# Altium PCB Mother  Board.PcbDoc (part 2 of 4) (continued)
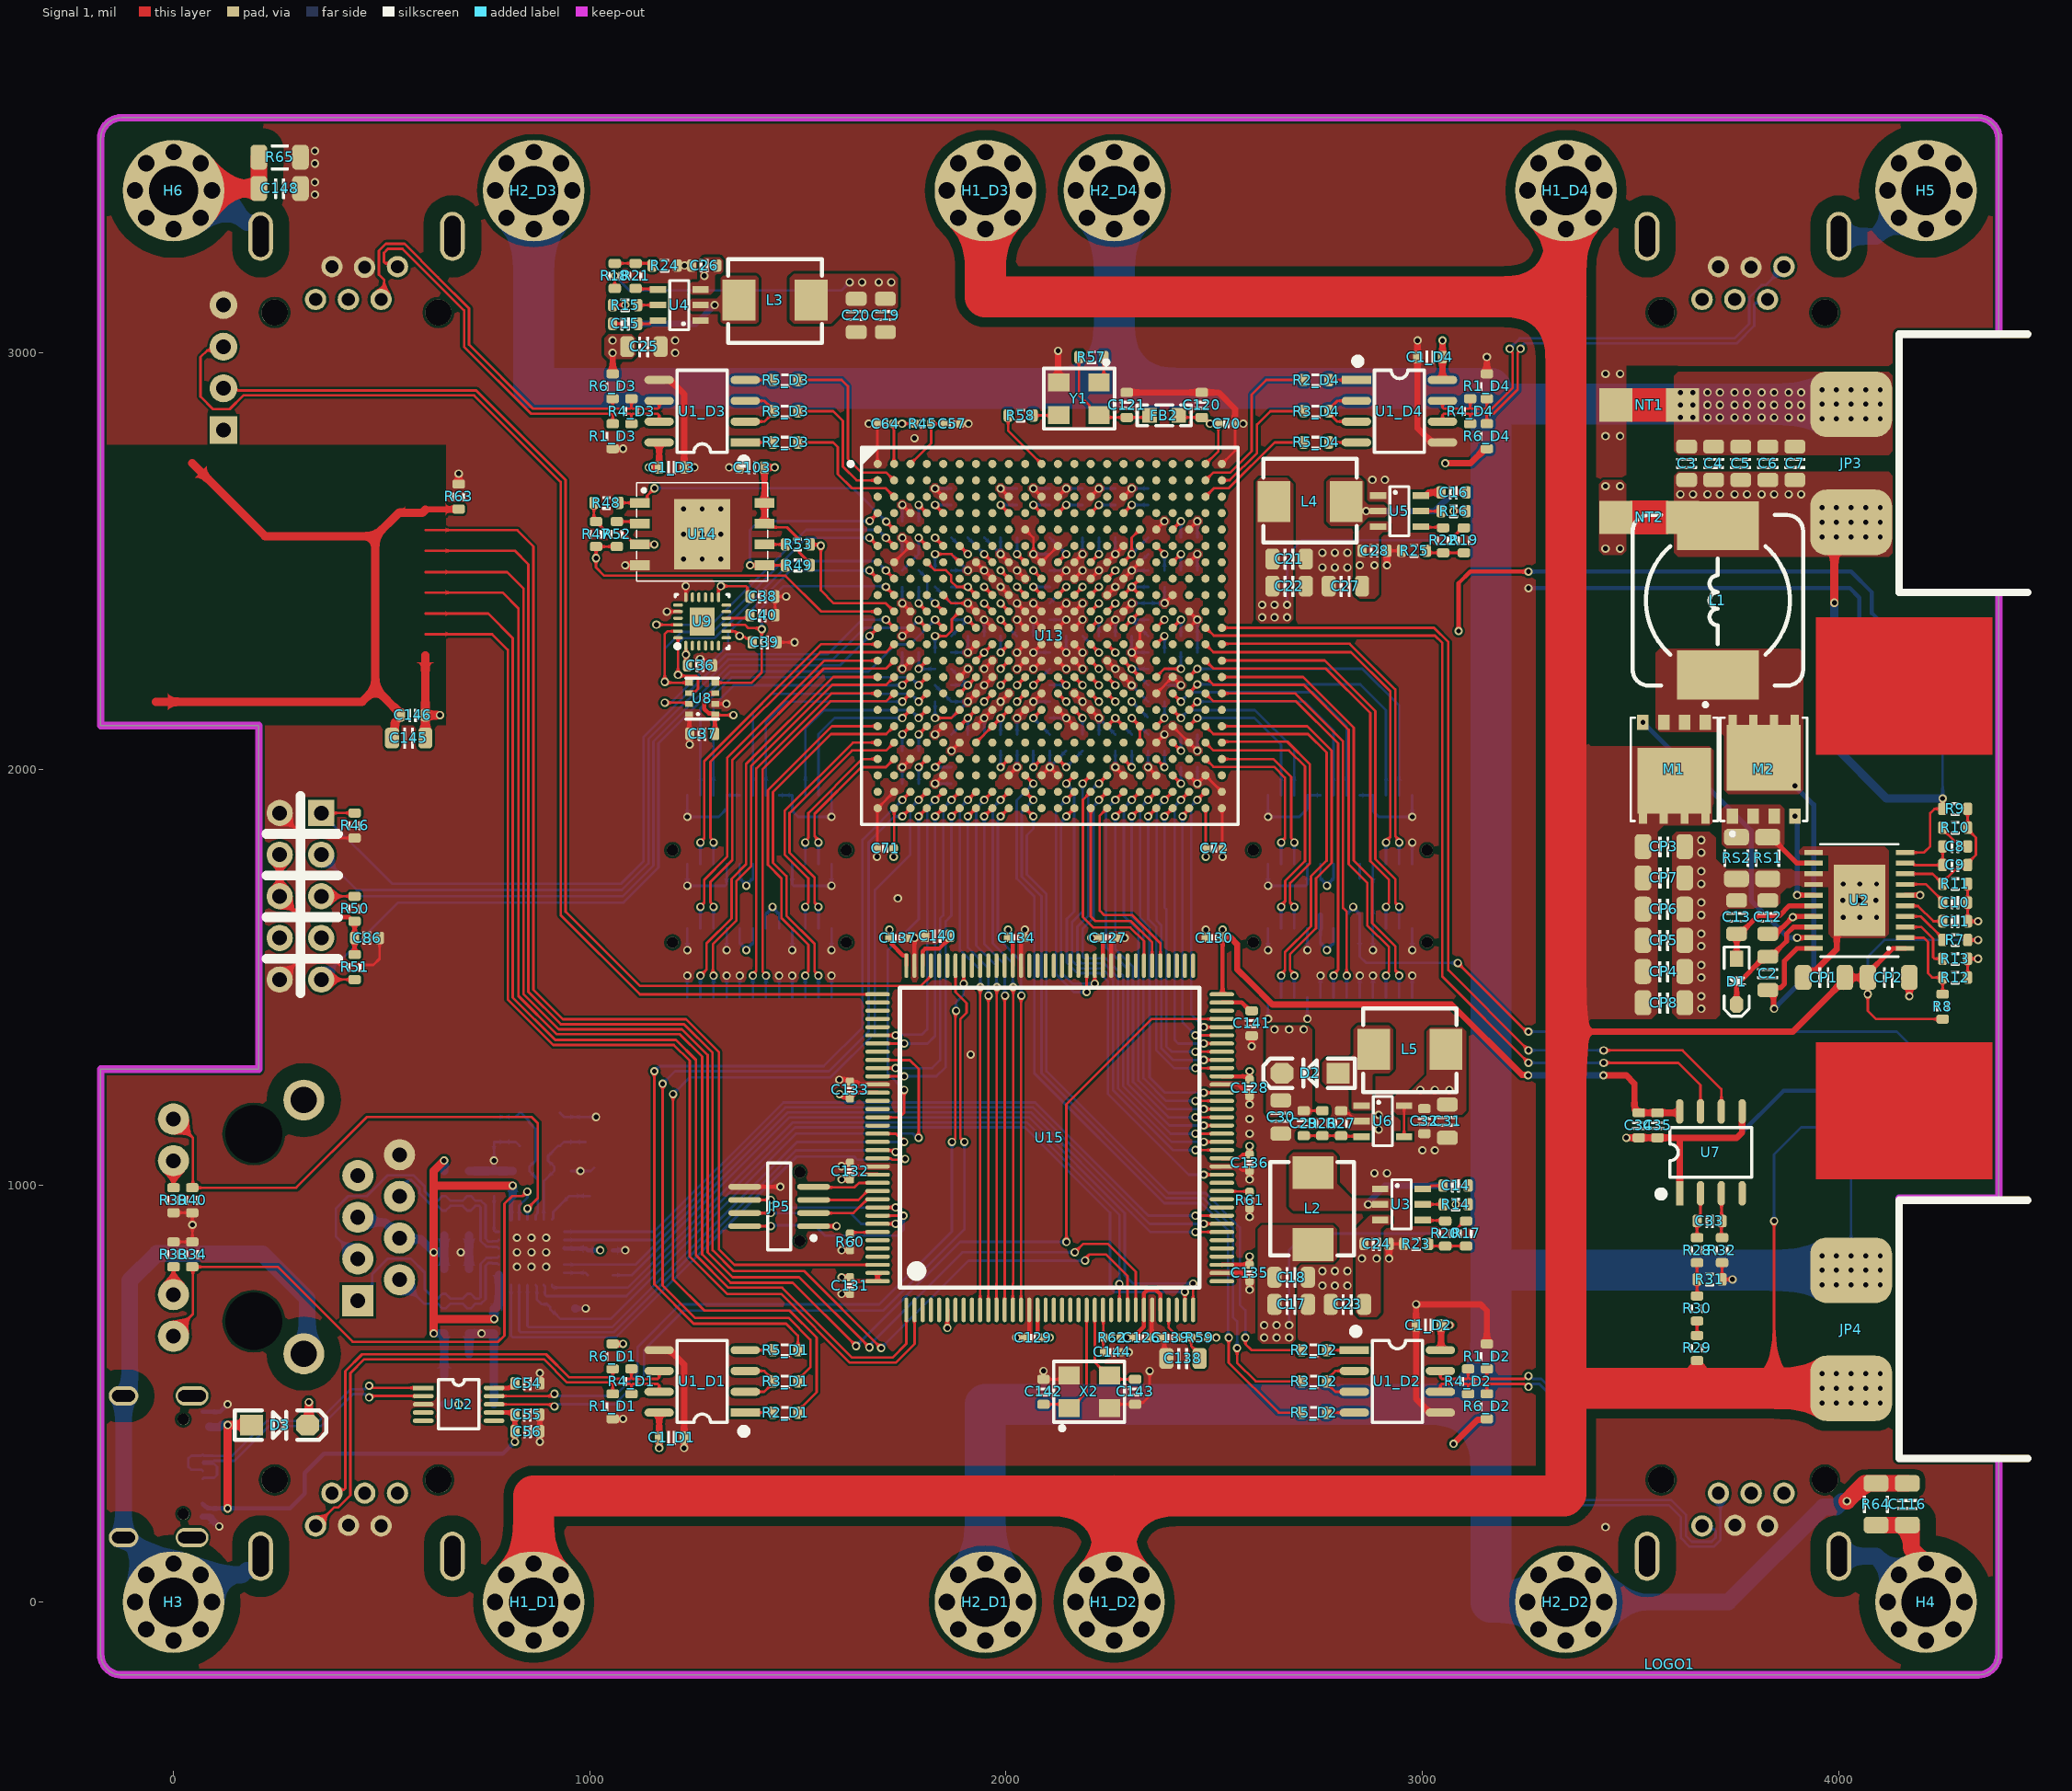
[diagram p0: Signal 1 view]
## Nets (pads, with @x,y where several pads share a name; then routed paths per layer and width w, separated by ;. In a path a pad name is that pad's centre, name@x,y a point inside that pad or via, vN(x,y) a via of type N, cw(c..) or ccw(c..) an arc to the next point about the centre after c; other vN are vias at no path point) (continued)
  Signal 2 w10: U11.9@938.74,849.84 939.65,848.94 991.06,848.94 C149.1@995,845 v2(1025,845) ; v2@3255.81,2475 4030,2475 4080,2425 4080,2375 4135,2320 R69.1@4230,2320
  Signal 2 w12: JP2_D2.9@2755.26,1617.68 JP2_D2.9@2755.26,1650.26
  Signal 2 w15: v1@2770.05,1564.81 v1(2771,1565.77) ; v1(3254.37,1265) v1(3435,1265)
  Signal 2 w20: FB1.1@650,475 v1@685.19,475
  other v1: 685.01,474.82 2620,635 2650,635 2680,635 2620,665 2650,665 1360,2320
3V3E: C45.2 C47.2 C52.1 C53.1 FB1.2 R35.2 R36.2 R37.2 R38.2 U10.4 U10.5 U11.1 U11.19 | length 1429.2
  Signal 1 w20: v1(625,645) 625,675 ; v1(649.81,1060.18) 625,1035.36 625,1000 ; v1(770.18,680.01) 630.01,680.01 625,675 ; v1(814.81,1000.18) 625.18,1000.18 625,1000 ; 625,675 v1(625,840) 625,1000
  Signal 2 w6: v1(625,645) v1@625.18,645.18 ; C53.1@810.79,970.98 C53.1@814.99,975.18
  Signal 2 w10: U11.1@810.79,918.74 C53.1@810.79,970.98
  Signal 2 w20: U10.5@445.82,925.01 459.02,911.81 509.02,911.81 U10.4@545.82,875.01 ; U10.4@542.91,875.83 547.33,871.41 593.95,871.41 625.18,840.18 C45.2@649.99,840.18 ; v1@625.18,645.18 R36.2@649.99,645.18 FB1.2@650,545 ; R35.2@649.99,800.18 C45.2@649.99,840.18 ; R38.2@649.99,880.18 C45.2@649.99,840.18 ; R37.2@649.99,1035.18 v1@649.99,1059.99 ; v1@769.99,680.19 C52.1@769.99,705 772.64,705 781.26,713.62 U11.19@781.26,785 ; C53.1@814.99,975.18 v1@814.99,999.99
5V: C1_D1.2 C1_D2.2 C1_D3.2 C1_D4.2 C23.2 C24.2 C25.2 C26.2 C27.2 C28.2 C31.2 C32.2 D3.K JP1_D1.1 JP1_D2.1 JP1_D3.1 JP1_D4.1 L5.1 NT2.2 R6_D1.1 R6_D2.1 R6_D3.1 R6_D4.1 R14.1 R15.1 R16.1 U1_D1.8 U1_D2.8 U1_D3.8 U1_D4.8 U3.3 U4.3 U5.3 U6.4 U6.5 | length 860.9
  Signal 1 w6: R15.1@1055,3115 v1(1085,3115) ; U6.4@2956.18,1117.6 U6.5@2956.18,1192.4 ; v1(3075,2620) R16.1@3105,2620 ; v1(3080,955) R14.1@3110,955
  Signal 1 w15: R6_D1.1@1055,620 v1(1080,620) ; R6_D3.1@1055,2950 v1(1055,3000) ; v1(1141.65,2725) C1_D3.2@1166.65,2725 U1_D3.8@1166.65,2785 ; v1(1166.65,370) C1_D1.2@1166.65,395 U1_D1.8@1166.65,455 ; U1_D2.8@3043.35,605 3045,606.65 C1_D2.2@3045,665 ; U1_D4.8@3048.35,2935 C1_D4.2@3048.35,2990 v1(3048.35,3030) ; C1_D2.2@3050,665 v1@3070,665 ; v1(3055,2735) 3116,2735 3151,2770 R6_D4.1@3155,2770 ; v1(3075,380) 3132.7,437.7 3152.7,437.7 R6_D2.1@3155,440
  Signal 1 w20: D3.K@322.5,425 325,427.5 v2(325,480)
  other v1: 3065,665 2855,825 2890,825 2995,1230 3030,1230 3065,1230 2850,2490 2885,2490 3440,2530 3475,2530 3440,2680 3475,2680 1055,3030 1275,3185 1275,3215
5V_P: C3.1 C4.1 C5.1 C6.1 C7.1 C12.1 JP3.2 L1.2 NT2.1 R9.2 R68.1 U2.10 U2.17 | length 1455.9
  Signal 1 w6: U2.10@4160,1800.16 4205.16,1800.16 4220,1815 4220,1895 4230,1905 R9.2@4250,1905 v1(4250,1930)
  Signal 1 w12: C12.1@3830,1605 C12.1@3839.35,1605 ; C12.1@3839.35,1595 3864.97,1620.61 3865.51,1620.61 3891.51,1646.61 U2.17@3940,1646.61
  Signal 1 w20: v2(3990,2400) 3990,2557.06 4026.21,2593.27 v1(4030,2593.27)
  Signal 2 w6: R68.1@4230,2165 4230,2161 4250,2141 v1(4250,1930)
  Signal 2 w20: v2(3990,2400) 3990,2055 4115,1930 v1(4250,1930) ; JP3.2@3990,2553.27 v1(3995,2558.27)
  other v1: 3890,1645 3960,2558.27 4030,2558.27 4065,2558.27 4100,2558.27 3960,2593.27 3995,2593.27 4065,2593.27 4100,2593.27 3960,2628.27 3995,2628.27 4030,2628.27 4065,2628.27 4100,2628.27 3619.99,2660.23 3649.99,2660.23 3684.99,2660.23 3714.99,2660.23 3749.99,2660.23 3779.99,2660.23 3814.99,2660.23 3844.99,2660.23 3879.99,2660.23 3909.99,2660.23
12V: C29.2 C30.2 D2.K JP2_D1.13 JP2_D1.15 JP2_D2.13 JP2_D2.15 JP2_D3.13 JP2_D3.15 JP2_D4.13 JP2_D4.15 R26.1 R67.1 | length 2055.9
  Signal 1 w6: C29.2@2715,1180 R26.1@2760,1180 ; v2(3085,1535) 3247.32,1372.68 3252.32,1372.68 v2(3255,1370)
  Signal 2 w6: JP2_D3.15@1360.26,1772.32 1360.26,1738 v1@1376,1722.25 ; v1(1376,1720.41) v1@1376,1722.25 ; JP2_D3.13@1391.75,1772.32 1391.75,1738 v1@1376,1722.25 ; JP2_D1.13@1423.25,1617.68 1423.25,1652 v1@1439,1667.75 ; v1(1439,1669.59) v1@1439,1667.75 ; JP2_D1.15@1454.74,1617.68 1454.74,1652 v1@1439,1667.75 ; JP2_D4.15@2755.26,1772.32 2755.26,1738 v1@2771,1722.25 ; v1(2771,1720.41) v1@2771,1722.25 ; JP2_D4.13@2786.75,1772.32 2786.75,1738 v1@2771,1722.25 ; JP2_D2.13@2818.25,1617.68 2818.25,1652 v1@2834,1667.75 ; v1(2834,1669.59) v1@2834,1667.75 ; v2(3085,1535) 2865,1535 2849.74,1550.26 JP2_D2.15@2849.74,1617.68 2849.74,1652 v1@2834,1667.75 ; v2(3255,1370) 4140,1370 4194.54,1315.46 4222.19,1315.46 4230,1307.65 R67.1@4230,1305
  other v1: 2645,1375 2680,1375 2715,1375
485_D1_N: JP1_D1.6 R1_D1.1 R4_D1.2 U1_D1.7 | length 1252.1
  Signal 1 w6: JP1_D1.6@341.26,182.83 385.41,226.98 394.96,226.98 424.78,256.81 424.78,549.78 458,583 890.03,583 945.51,527.51 1050.03,527.51 1055,522.54 1055,520.49 ; R1_D1.1@1055,500 1055,520.49 ; R4_D1.2@1100,500 1100,520.49 ; U1_D1.7@1166.65,505 1166.65,520.49 1163.14,524 1127.33,524 1103.51,524 1100,520.49 ; 1055,520.49 1058.51,524 1096.49,524 1100,520.49
485_D1_P: JP1_D1.5 R4_D1.1 R6_D1.2 U1_D1.6 | length 1174.2
  Signal 1 w6: JP1_D1.5@380.63,261.57 388.91,269.86 409.26,269.86 412.78,273.37 412.78,554.75 453.03,595 895,595 950.49,539.51 1055,539.51 ; R6_D1.2@1055,560 1055,539.51 ; R4_D1.1@1100,560 1100,539.51 ; U1_D1.6@1166.65,555 1166.65,539.51 1163.14,536 1132.3,536 1103.51,536 1100,539.51 ; 1055,539.51 1058.51,536 1096.49,536 1100,539.51
485_D2_N: JP1_D2.6 R1_D2.1 R4_D2.2 U1_D2.7 | length 1094.3
  Signal 1 w6: U1_D2.7@3043.35,555 3043.35,539.51 3046.86,536 3106.49,536 3110,539.51 ; R4_D2.2@3110,560 3110,539.51 ; R1_D2.1@3155,560 3155,539.51 ; v1(3255,543) 3251.49,543 3244.49,536 3158.51,536 3155,539.51 ; 3110,539.51 3113.51,536 3151.49,536 3155,539.51
  Signal 2 w6: v1(3255,543) 3258.51,543 3265.51,536 3285.97,536 3332,489.97 3332,295 3382,245 3596.97,245 3633.49,208.49 3633.49,158.49 3646.97,145 3695,145 3704.46,154.46 3704.46,171.45 3700.94,174.96 3679.77,174.96 JP1_D2.6@3671.9,182.83
485_D2_P: JP1_D2.5 R4_D2.1 R6_D2.2 U1_D2.6 | length 1169.2
  Signal 1 w6: U1_D2.6@3043.35,505 3043.35,520.49 3046.86,524 3106.49,524 3110,520.49 ; R4_D2.1@3110,500 3110,520.49 ; R6_D2.2@3155,500 3155,520.49 ; v1(3255,517) 3251.49,517 3244.49,524 3158.51,524 3155,520.49 ; 3110,520.49 3113.51,524 3151.49,524 3155,520.49
  Signal 2 w6: v1(3255,517) 3258.51,517 3265.51,524 3281,524 3320,485 3320,290.03 3377.03,233 3592,233 3621.49,203.51 3621.49,153.51 3642,133 3699.97,133 3716.46,149.49 3716.46,256.38 JP1_D2.5@3711.27,261.57
485_D3_N: JP1_D3.6 R1_D3.1 R4_D3.2 U1_D3.7 | length 1003
  Signal 1 w6: JP1_D3.6@538.1,3207.17 530.23,3215.04 509.06,3215.04 505.54,3218.55 505.54,3240.54 515,3250 550,3250 635,3165 698,3102 698,3015.03 859.03,2854 1051.49,2854 1055,2850.49 ; R1_D3.1@1055,2830 1055,2850.49 ; R4_D3.2@1100,2830 1100,2850.49 ; U1_D3.7@1166.65,2835 1166.65,2850.49 1163.14,2854 1139.33,2854 1103.51,2854 1100,2850.49 ; 1055,2850.49 1058.51,2854 1096.49,2854 1100,2850.49
485_D3_P: JP1_D3.5 R4_D3.1 R6_D3.2 U1_D3.6 | length 1084.1
  Signal 1 w6: JP1_D3.5@498.73,3128.43 506.18,3135.87 506.18,3175.12 493.54,3187.76 493.54,3245.51 510.03,3262 554.97,3262 635,3181.97 710,3106.97 710,3020 864,2866 1051.49,2866 1055,2869.51 ; R6_D3.2@1055,2890 1055,2869.51 ; R4_D3.1@1100,2890 1100,2869.51 ; U1_D3.6@1166.65,2885 1166.65,2869.51 1163.14,2866 1134.36,2866 1103.51,2866 1100,2869.51 ; 1055,2869.51 1058.51,2866 1096.49,2866 1100,2869.51
485_D4_N: JP1_D4.6 R1_D4.1 R4_D4.2 U1_D4.7 | length 1127.5
  Signal 1 w6: U1_D4.7@3048.35,2885 3048.35,2869.51 3051.86,2866 3111.49,2866 3115,2869.51 ; R4_D4.2@3115,2890 3115,2869.51 ; R1_D4.1@3155,2890 3155,2869.51 ; v1(3210,3010) 3210,3006.49 3217,2999.49 3217,2916.49 3166.51,2866 3158.51,2866 3155,2869.51 ; 3115,2869.51 3118.51,2866 3151.49,2866 3155,2869.51
  Signal 2 w6: v1(3210,3010) 3210,3010.87 3234.13,3035 3750,3035 3785.22,3070.22 3785.22,3133.19 3815.04,3163.02 3824.59,3163.02 JP1_D4.6@3868.74,3207.17
485_D4_P: JP1_D4.5 R4_D4.1 R6_D4.2 U1_D4.6 | length 1044.5
  Signal 1 w6: U1_D4.6@3048.35,2835 3048.35,2850.49 3051.86,2854 3111.49,2854 3115,2850.49 ; R4_D4.1@3115,2830 3115,2850.49 ; R6_D4.2@3155,2830 3155,2850.49 ; v1(3236,3010) 3236,3006.49 3229,2999.49 3229,2911.52 3171.48,2854 3158.51,2854 3155,2850.49 ; 3115,2850.49 3118.51,2854 3151.49,2854 3155,2850.49
  Signal 2 w6: v1(3236,3010) 3236,3013.79 3241.38,3019.17 3241.38,3019.49 3244.9,3023 3754.97,3023 3797.22,3065.25 3797.22,3116.63 3800.74,3120.14 3821.09,3120.14 JP1_D4.5@3829.37,3128.43
ASDI: R49.1 U13.D1 U14.5 | length 493.3
  Signal 1 w6: v1(1385,2490) U14.5@1419.61,2490 R49.1@1470,2490 ; v1(1672.52,2596.18) U13.D1@1691.61,2615.28
  Signal 2 w6: v1(1385,2490) 1385,2575 1406.18,2596.18 v1(1672.52,2596.18)
BOOT0: R60.1 U15.138 | length 68
  Signal 1 w6: R60.1@1625,885 1627.89,887.89 1690.81,887.89 U15.138@1691.54,888.62
BOOT1: R61.1 U15.48 | length 67.5
  Signal 1 w6: U15.48@2518.31,987.05 2519.05,986.31 2583.69,986.31 R61.1@2585,985
CLK50M: R58.1 U13.A11 | length 149.9
  Signal 1 w6: R58.1@2005,2850 2005,2813.7 U13.A11@2085.31,2733.39
ClkA_D1: JP2_D1.3 U13.N1 | length 894.4
  Signal 1 w6: v1(1265.77,1669.59) 1265.77,1670.87 1275,1680.1 1275,1735 1330,1790 1330,2026.97 1563.97,2260.94 U13.N1@1691.61,2260.94
  Signal 2 w6: JP2_D1.3@1265.77,1617.68 v1(1265.77,1669.59)
ClkA_D2: JP2_D2.3 U13.V21 | length 675.7
  Signal 1 w6: U13.V21@2479.02,2064.09 2497.86,2045.25 2679.75,2045.25 2718,2007 2718,1779.42 2670.46,1731.88 2670.46,1683.07 2660.77,1673.38 v1(2660.77,1669.59)
  Signal 2 w6: JP2_D2.3@2660.77,1617.68 v1(2660.77,1669.59)
ClkA_D3: JP2_D3.3 U13.W2 | length 370.1
  Signal 1 w6: v1(1549.23,1824.23) 1546.55,1826.91 1546.55,1833.19 1540,1839.75 1540,1893.03 1652.01,2005.04 1711.3,2005.04 U13.W2@1730.98,2024.72
  Signal 2 w6: JP2_D3.3@1549.23,1772.32 v1(1549.23,1824.23)
ClkA_D4: JP2_D4.3 U13.M22 | length 885.8
  Signal 1 w6: U13.M22@2518.39,2300.32 2519.45,2301.38 2730.57,2301.38 2825.59,2301.38 2935,2191.97 2935,2096.95 2935,1839.75 2941.55,1833.19 2941.55,1826.91 v1(2944.23,1824.23)
  Signal 2 w6: JP2_D4.3@2944.23,1772.32 v1(2944.23,1824.23)
ClkC_D1: JP2_D1.19 U13.V1 | length 600.5
  Signal 1 w6: v1(1517.74,1669.59) 1517.74,1672.84 1525,1680.1 1525,1738.03 1468,1795.03 1468,1899.97 1632.12,2064.09 U13.V1@1691.61,2064.09
  Signal 2 w6: JP2_D1.19@1517.74,1617.68 v1(1517.74,1669.59)
ClkC_D2: JP2_D2.19 U13.N21 | length 987.1
  Signal 1 w6: U13.N21@2479.02,2260.94 2497.86,2242.1 2767.9,2242.1 2875,2135 2875,1779.45 2920,1734.45 2920,1680.1 2912.74,1672.84 v1(2912.74,1669.59)
  Signal 2 w6: JP2_D2.19@2912.74,1617.68 v1(2912.74,1669.59)
ClkC_D3: JP2_D3.19 U13.M2 | length 806.6
  Signal 1 w6: v1(1297.26,1824.23) 1297.26,1827.48 1290,1834.75 1290,2018.03 1553.44,2281.47 1712.14,2281.47 U13.M2@1730.98,2300.32
  Signal 2 w6: JP2_D3.19@1297.26,1772.32 v1(1297.26,1824.23)
ClkC_D4: JP2_D4.19 U13.W22 | length 397
  Signal 1 w6: U13.W22@2518.39,2024.72 2642.25,2024.72 2685,1981.97 2685,1834.75 2692.26,1827.48 v1(2692.26,1824.23)
  Signal 2 w6: JP2_D4.19@2692.26,1772.32 v1(2692.26,1824.23)
ClkVIN: U7.7 U13.L21 | length 2176.6
  Signal 1 w6: U13.L21@2479.02,2339.69 2480.31,2339.69 2499.16,2320.84 3030.22,2320.84 3048,2303.06 3048,1502 v1(3255,1295) ; v1(3435.63,1295) 3615,1295 3668.27,1241.73 U7.7@3668.27,1178.43
  Signal 2 w6: v1(3255,1295) v1(3435.63,1295)
CONF_DONE: R54.1 U13.M18 | length 66.9
  Signal 1 w6: U13.M18@2360.91,2300.32 v1(2380.59,2320)
  Signal 2 w6: R54.1@2380.59,2280.94 v1(2380.59,2320)
DATA0: R47.2 R52.1 U13.K1 | length 820.5
  Signal 1 w6: R52.1@1065,2535 R47.2@1015,2535 v1(1015,2507.16) 1015,2485 1035,2465 1470,2465 1555.94,2379.06 U13.K1@1691.61,2379.06
DataA_D1: JP2_D1.5 U13.N2 | length 916.8
  Signal 1 w6: v1(1297.26,1669.59) 1297.26,1672.84 1290,1680.1 1290,1729.45 1342,1781.45 1342,2022 1562.1,2242.1 1712.14,2242.1 U13.N2@1730.98,2260.94
  Signal 2 w6: JP2_D1.5@1297.26,1617.68 v1(1297.26,1669.59)
DataA_D2: JP2_D2.5 U13.V22 | length 653.1
  Signal 1 w6: U13.V22@2518.39,2064.09 2520.67,2066.38 2585.57,2066.38 2675.59,2066.38 2730,2011.97 2730,1774.45 2682.46,1726.91 2682.46,1680 2692.26,1670.2 v1(2692.26,1669.59)
  Signal 2 w6: JP2_D2.5@2692.26,1617.68 v1(2692.26,1669.59)
DataA_D3: JP2_D3.5 U13.W1 | length 346
  Signal 1 w6: v1(1517.74,1824.23) 1517.74,1827.48 1525,1834.75 1525,1895 1654.72,2024.72 U13.W1@1691.61,2024.72
  Signal 2 w6: JP2_D3.5@1517.74,1772.32 v1(1517.74,1824.23)
DataA_D4: JP2_D4.5 U13.M21 | length 909.8
  Signal 1 w6: U13.M21@2479.02,2300.32 2497.86,2281.47 2828.53,2281.47 2923,2187 2923,1837.75 2912.74,1827.48 v1(2912.74,1824.23)
  Signal 2 w6: JP2_D4.5@2912.74,1772.32 v1(2912.74,1824.23)
DataC_D1: JP2_D1.21 U13.V2 | length 627
  Signal 1 w6: v1(1549.23,1669.59) 1549.23,1670.87 1540,1680.1 1540,1740 1480,1800 1480,1895 1630.25,2045.25 1712.14,2045.25 U13.V2@1730.98,2064.09
  Signal 2 w6: JP2_D1.21@1549.23,1617.68 v1(1549.23,1669.59)
DataC_D2: JP2_D2.21 U13.N22 | length 965.1
  Signal 1 w6: U13.N22@2518.39,2260.94 2518.82,2261.38 2690.57,2261.38 2765.59,2261.38 2887,2139.97 2887,1784.42 2935,1736.42 2935,1680.1 2944.23,1670.87 v1(2944.23,1669.59)
  Signal 2 w6: JP2_D2.21@2944.23,1617.68 v1(2944.23,1669.59)
DataC_D3: JP2_D3.21 U13.M1 | length 784.5
  Signal 1 w6: v1(1265.77,1824.23) 1265.77,1825.51 1275,1834.75 1275,2020 1555.31,2300.32 1690.98,2300.32 1691.3,2300 U13.M1@1691.61,2300.32
  Signal 2 w6: JP2_D3.21@1265.77,1772.32 v1(1265.77,1824.23)
DataC_D4: JP2_D4.21 U13.W21 | length 421
  Signal 1 w6: U13.W21@2479.02,2024.72 2497.86,2005.88 2644.12,2005.88 2670,1980 2670,1834.75 2660.77,1825.52 v1(2660.77,1824.23)
  Signal 2 w6: JP2_D4.21@2660.77,1772.32 v1(2660.77,1824.23)
DataVIN: U7.6 U13.L22 | length 2175
  Signal 1 w6: U13.L22@2518.39,2339.69 2518.7,2340 3028.03,2340 3062.49,2305.54 3062.49,1517.51 v1(3255,1325) ; v1@3434.64,1325 v1(3435.63,1325) 3625,1325 3718.27,1231.73 U7.6@3718.27,1178.43
  Signal 2 w6: v1(3255,1325) v1(3435.63,1325)
DCLK: R53.2 U13.K2 | length 332.1
  Signal 1 w6: R53.2@1530,2540 1555,2540 1555,2430 1586.26,2398.74 1711.3,2398.74 U13.K2@1730.98,2379.06
  other v1: 1555,2537
EARTH: H3.1 JP1_D1.8 U10.13 USB1.3 USB1.4 | length 1648.4
  Signal 2 w40: H3.1@0,0 0,44.69 -110.23,154.92 USB1.3@-120.08,154.92 USB1.4@-120.08,495.08 -110.23,495.08 -106.88,498.42 -106.88,508.27 -105,510.16 -105,772 -40.12,836.87 40.12,836.87 40.33,836.66 213.48,836.66 321.18,728.96 321.18,606.06 U10.13@312.99,597.87 ; H3.1@65.42,65.42 164.79,65.42 176.2,76.83 200.57,76.83 209.37,85.63 JP1_D1.8@209.37,110
EARTH1: U10.14
EARTH1_D1: JP1_D1.7
EARTH1_D2: C116.2 H4.1 JP1_D2.7 R64.1 | length 446.9
  Signal 1 w40: R64.1@4090,185 4100,185 C116.2@4165,185 4175,185 4175,127.52 H4.1@4210,92.52
  Signal 2 w40: JP1_D2.7@4000.64,110 4090.16,110 4200.16,0 H4.1@4210,0
EARTH1_D3: C148.2 H6.1 JP1_D3.7 R65.1 | length 385
  Signal 1 w40: H6.1@0,3390 H6.1@38.73,3390 ; H6.1@92.52,3390 100,3390 105,3395 C148.2@185,3395 ; C148.2@205,3395 205,3405 R65.1@205,3470
  Signal 2 w40: H6.1@92.52,3390 99.36,3390 176.19,3313.17 200.56,3313.17 209.36,3304.37 JP1_D3.7@209.36,3280
EARTH1_D4: JP1_D4.7
EARTH2_D2: JP1_D2.8
EARTH2_D3: JP1_D3.8
EARTH2_D4: H5.1 JP1_D4.8 | length 254.9
  Signal 2 w40: JP1_D4.8@4000.63,3280 4090.16,3280 4200.16,3390 H5.1@4210,3390
"ETH MDC": U11.13 U15.27 | length 1852.3
  Signal 1 w6: U15.27@2272.25,701.61 v1(2272.25,763.91)
  Signal 2 w6: U11.13@909.21,761.26 909.21,757.91 912.12,755 1091.06,755 1488.06,1152 2050.12,1152 2272.25,929.87 v1(2272.25,763.91)
"ETH MDIO": R42.1 U15.36 | length 1867.4
  Signal 1 w6: U15.36@2449.42,701.61 v1(2449.42,765.07)
  Signal 2 w6: R42.1@1055,785 1100.91,785 1479.91,1164 2055.09,1164 2285,934.09 2285,785 2304.93,765.07 v1(2449.42,765.07)
"ETH RESET": R43.1 U11.15 U15.117 | length 1436.2
  Signal 1 w6: U15.117@1691.54,1302.01 1716.5,1302.01 1717.18,1301.32 1768.68,1301.32 1790,1280 v1(1790,1115)
  Signal 2 w6: U11.15@869.84,761.26 872.75,758.35 872.75,727.25 884.54,715.46 897.19,715.46 905,707.65 R43.1@905,705 905,702.35 912.81,694.54 915.46,694.54 930,680 1050,680 1495,1125 1776.21,1125 1786.21,1115 v1(1790,1115)
FPGA_RST: C57.2 R45.2 U13.A3 | length 147.2
  Signal 1 w6: U13.A3@1770.35,2733.39 1820,2783.03 R45.2@1820,2830 C57.2@1850,2830
FSMC_A0: U13.AA7 U15.10 | length 1281.1
  Signal 1 w6: v1(1908.15,1926.3) U13.AA7@1927.83,1945.98 ; U15.10@1937.61,701.61 1937.61,1475.93 v1(1938.29,1476.62)
  Signal 2 w6: v1(1908.15,1926.3) 1889.15,1907.3 1889.15,1566.96 1938.38,1517.73 1938.38,1476.71 v1(1938.29,1476.62)
FSMC_A1: U13.AB7 U15.11 | length 1234.1
  Signal 1 w6: v1(1908.15,1886.93) U13.AB7@1927.83,1906.61 ; U15.11@1957.29,701.61 1957.29,1455.69 v1(1958.06,1456.46)
  Signal 2 w6: v1(1908.15,1886.93) 1908.15,1571.85 1957.29,1522.71 1957.29,1457.24 v1(1958.06,1456.46)
FSMC_A2: U13.AA8 U15.12 | length 1281
  Signal 1 w6: v1(1947.52,1926.3) U13.AA8@1967.2,1945.98 ; U15.12@1976.98,701.61 1976.98,765.07 1977.66,765.76 v1(1977.66,1476.62)
  Signal 2 w6: v1(1947.52,1926.3) 1928.52,1907.3 1928.52,1576.48 1976.98,1528.02 1976.98,1477.31 v1(1977.66,1476.62)
FSMC_A3: U13.AB8 U15.13 | length 1234.1
  Signal 1 w6: v1(1947.52,1886.93) U13.AB8@1967.2,1906.61 ; U15.13@1996.66,701.61 1996.66,1455.69 v1(1997.44,1456.46)
  Signal 2 w6: v1(1947.52,1886.93) 1947.52,1580.51 1996.66,1531.37 1996.66,1457.24 v1(1997.44,1456.46)
FSMC_A4: U13.AA9 U15.14 | length 1281
  Signal 1 w6: v1(1986.89,1926.3) U13.AA9@2006.57,1945.98 ; U15.14@2016.35,701.61 2016.35,765.07 2017.03,765.76 v1(2017.03,1476.62)
  Signal 2 w6: v1(1986.89,1926.3) 1967.89,1907.3 1967.89,1582.11 2016.35,1533.65 2016.35,1477.31 v1(2017.03,1476.62)
FSMC_A5: U13.AB9 U15.15 | length 1239.9
  Signal 1 w6: v1(1986.89,1886.93) U13.AB9@2006.57,1906.61 ; U15.15@2036.03,701.61 2036.03,1455.69 v1(2036.81,1456.46)
  Signal 2 w6: v1(1986.89,1886.93) 1986.89,1883.3 1980,1876.41 1980,1595 2036.03,1538.97 2036.03,1457.24 v1(2036.81,1456.46)
FSMC_A6: U13.Y13 U15.50 | length 1214.4
  Signal 1 w6: v1(2144.37,1965.67) U13.Y13@2164.06,1985.35 ; v1(2475.02,1026.42) U15.50@2518.31,1026.42
  Signal 2 w6: v1(2144.37,1965.67) 2163.37,1946.67 2163.37,1658.22 2146.03,1640.87 2146.03,1535.55 2171.58,1510 2225,1510 2245,1490 2245,1220 2438.58,1026.42 v1(2475.02,1026.42)
FSMC_A7: U13.Y14 U15.53 | length 1167.6
  Signal 1 w6: v1(2183.74,1965.67) U13.Y14@2203.43,1985.35 ; v1(2454.86,1085.47) U15.53@2518.31,1085.47
  Signal 2 w6: v1(2183.74,1965.67) 2183.74,1657.92 2158.68,1632.86 2158.68,1539.87 2176.55,1522 2229.97,1522 2257,1494.97 2257,1229.21 2400.73,1085.47 v1(2454.86,1085.47)
FSMC_A8: U13.Y15 U15.54 | length 1156.7
  Signal 1 w6: v1(2223.11,1965.67) U13.Y15@2242.8,1985.35 ; v1(2475.02,1105.16) U15.54@2518.31,1105.16
  Signal 2 w6: v1(2223.11,1965.67) 2220.67,1965.67 2197.48,1942.48 2197.48,1648.53 2171.32,1622.38 2171.32,1544.19 2181.52,1534 2234.94,1534 2269,1499.94 2269,1234.18 2398.02,1105.16 v1(2475.02,1105.16)
FSMC_A9: U13.AA15 U15.55 | length 1086.8
  Signal 1 w6: v1(2223.11,1926.3) U13.AA15@2242.8,1945.98 ; v1(2454.86,1124.84) U15.55@2518.31,1124.84
  Signal 2 w6: v1(2223.11,1926.3) 2223.11,1923.89 2210,1910.78 2210,1643.17 2183.97,1617.14 2183.97,1549.51 2187.49,1546 2239.91,1546 2281,1504.91 2281,1239.15 2395.31,1124.84 v1(2454.86,1124.84)
FSMC_A10: U13.AA16 U15.56 | length 1007.9
  Signal 1 w6: v1(2262.48,1926.3) U13.AA16@2282.17,1945.98 ; v1(2475.02,1144.53) U15.56@2518.31,1144.53
  Signal 2 w6: v1(2262.48,1926.3) 2240,1903.82 2240,1572.56 2293,1519.56 2293,1244.12 2392.59,1144.53 v1(2475.02,1144.53)
FSMC_A11: U13.AB16 U15.57 | length 931.8
  Signal 1 w6: v1(2262.48,1886.93) U13.AB16@2282.17,1906.61 ; v1(2454.86,1164.21) U15.57@2518.31,1164.21
  Signal 2 w6: v1(2262.48,1886.93) 2262.48,1567.98 2305,1525.46 2305,1249.09 2389.88,1164.21 v1(2454.86,1164.21)
FSMC_D0: U13.AB13 U15.85 | length 542.9
  Signal 1 w6: v1(2144.37,1886.93) U13.AB13@2164.06,1906.61 ; v1(2213.2,1485.09) U15.85@2213.2,1528.39
  Signal 2 w6: v1(2144.37,1886.93) 2144.37,1884.8 2132,1872.43 2132,1513.02 2159.93,1485.09 v1(2213.2,1485.09)
FSMC_D1: U13.AA13 U15.86 | length 605.2
  Signal 1 w6: v1(2144.37,1926.3) U13.AA13@2164.06,1945.98 ; v1@2193.51,1470.72 U15.86@2193.51,1528.39
  Signal 2 w6: v1(2144.37,1926.3) 2120,1901.93 2120,1508.05 2163.12,1464.93 v1(2193.51,1464.93)
FSMC_D2: U13.AA5 U15.114 | length 711.4
  Signal 1 w6: U15.114@1691.54,1361.06 v1(1734.84,1361.06) ; v1(1829.41,1926.3) U13.AA5@1849.09,1945.98
  Signal 2 w6: v1(1734.84,1361.06) 1736.57,1362.79 1797.79,1362.79 1810.41,1375.41 1810.41,1907.3 v1(1829.41,1926.3)
FSMC_D3: U13.AB5 U15.115 | length 694.9
  Signal 1 w6: U15.115@1691.54,1341.38 v1@1749.21,1341.38 ; v1(1829.41,1886.93) U13.AB5@1849.09,1906.61
  Signal 2 w6: v1(1755,1341.38) 1811.38,1341.38 1829.41,1359.41 v1(1829.41,1886.93)
FSMC_D4: U13.AA17 U15.58 | length 952.5
  Signal 1 w6: v1(2301.85,1926.3) U13.AA17@2321.54,1945.98 ; v1(2475.02,1183.9) U15.58@2518.31,1183.9
  Signal 2 w6: v1(2301.85,1926.3) 2282.85,1907.3 2282.85,1647.68 2318,1612.53 2318,1253.06 2387.16,1183.9 v1(2475.02,1183.9)
FSMC_D5: U13.AB17 U15.59 | length 879.3
  Signal 1 w6: v1(2301.85,1886.93) U13.AB17@2321.54,1906.61 ; v1(2454.86,1203.58) U15.59@2518.31,1203.58
  Signal 2 w6: v1(2301.85,1886.93) 2301.85,1645.65 2330,1617.5 2330,1258.03 2384.45,1203.58 v1(2454.86,1203.58)
FSMC_D6: U13.AA18 U15.60 | length 900
  Signal 1 w6: v1(2341.22,1926.3) U13.AA18@2360.91,1945.98 ; v1(2475.02,1223.27) U15.60@2518.31,1223.27
  Signal 2 w6: v1(2341.22,1926.3) 2322.22,1907.3 2322.22,1642.25 2345,1619.47 2345,1260 2381.73,1223.27 v1(2475.02,1223.27)
FSMC_D7: U13.AB18 U15.63 | length 772.9
  Signal 1 w6: v1(2341.22,1886.93) U13.AB18@2360.91,1906.61 ; v1(2454.86,1282.32) U15.63@2518.31,1282.32
  Signal 2 w6: v1(2341.22,1886.93) 2341.22,1640.22 2361,1620.44 2361,1325.06 2403.74,1282.32 v1(2454.86,1282.32)